# Altium PCB FMC_ADC_250M_16B_4ch.PcbDoc (part 3 of 8) (continued)
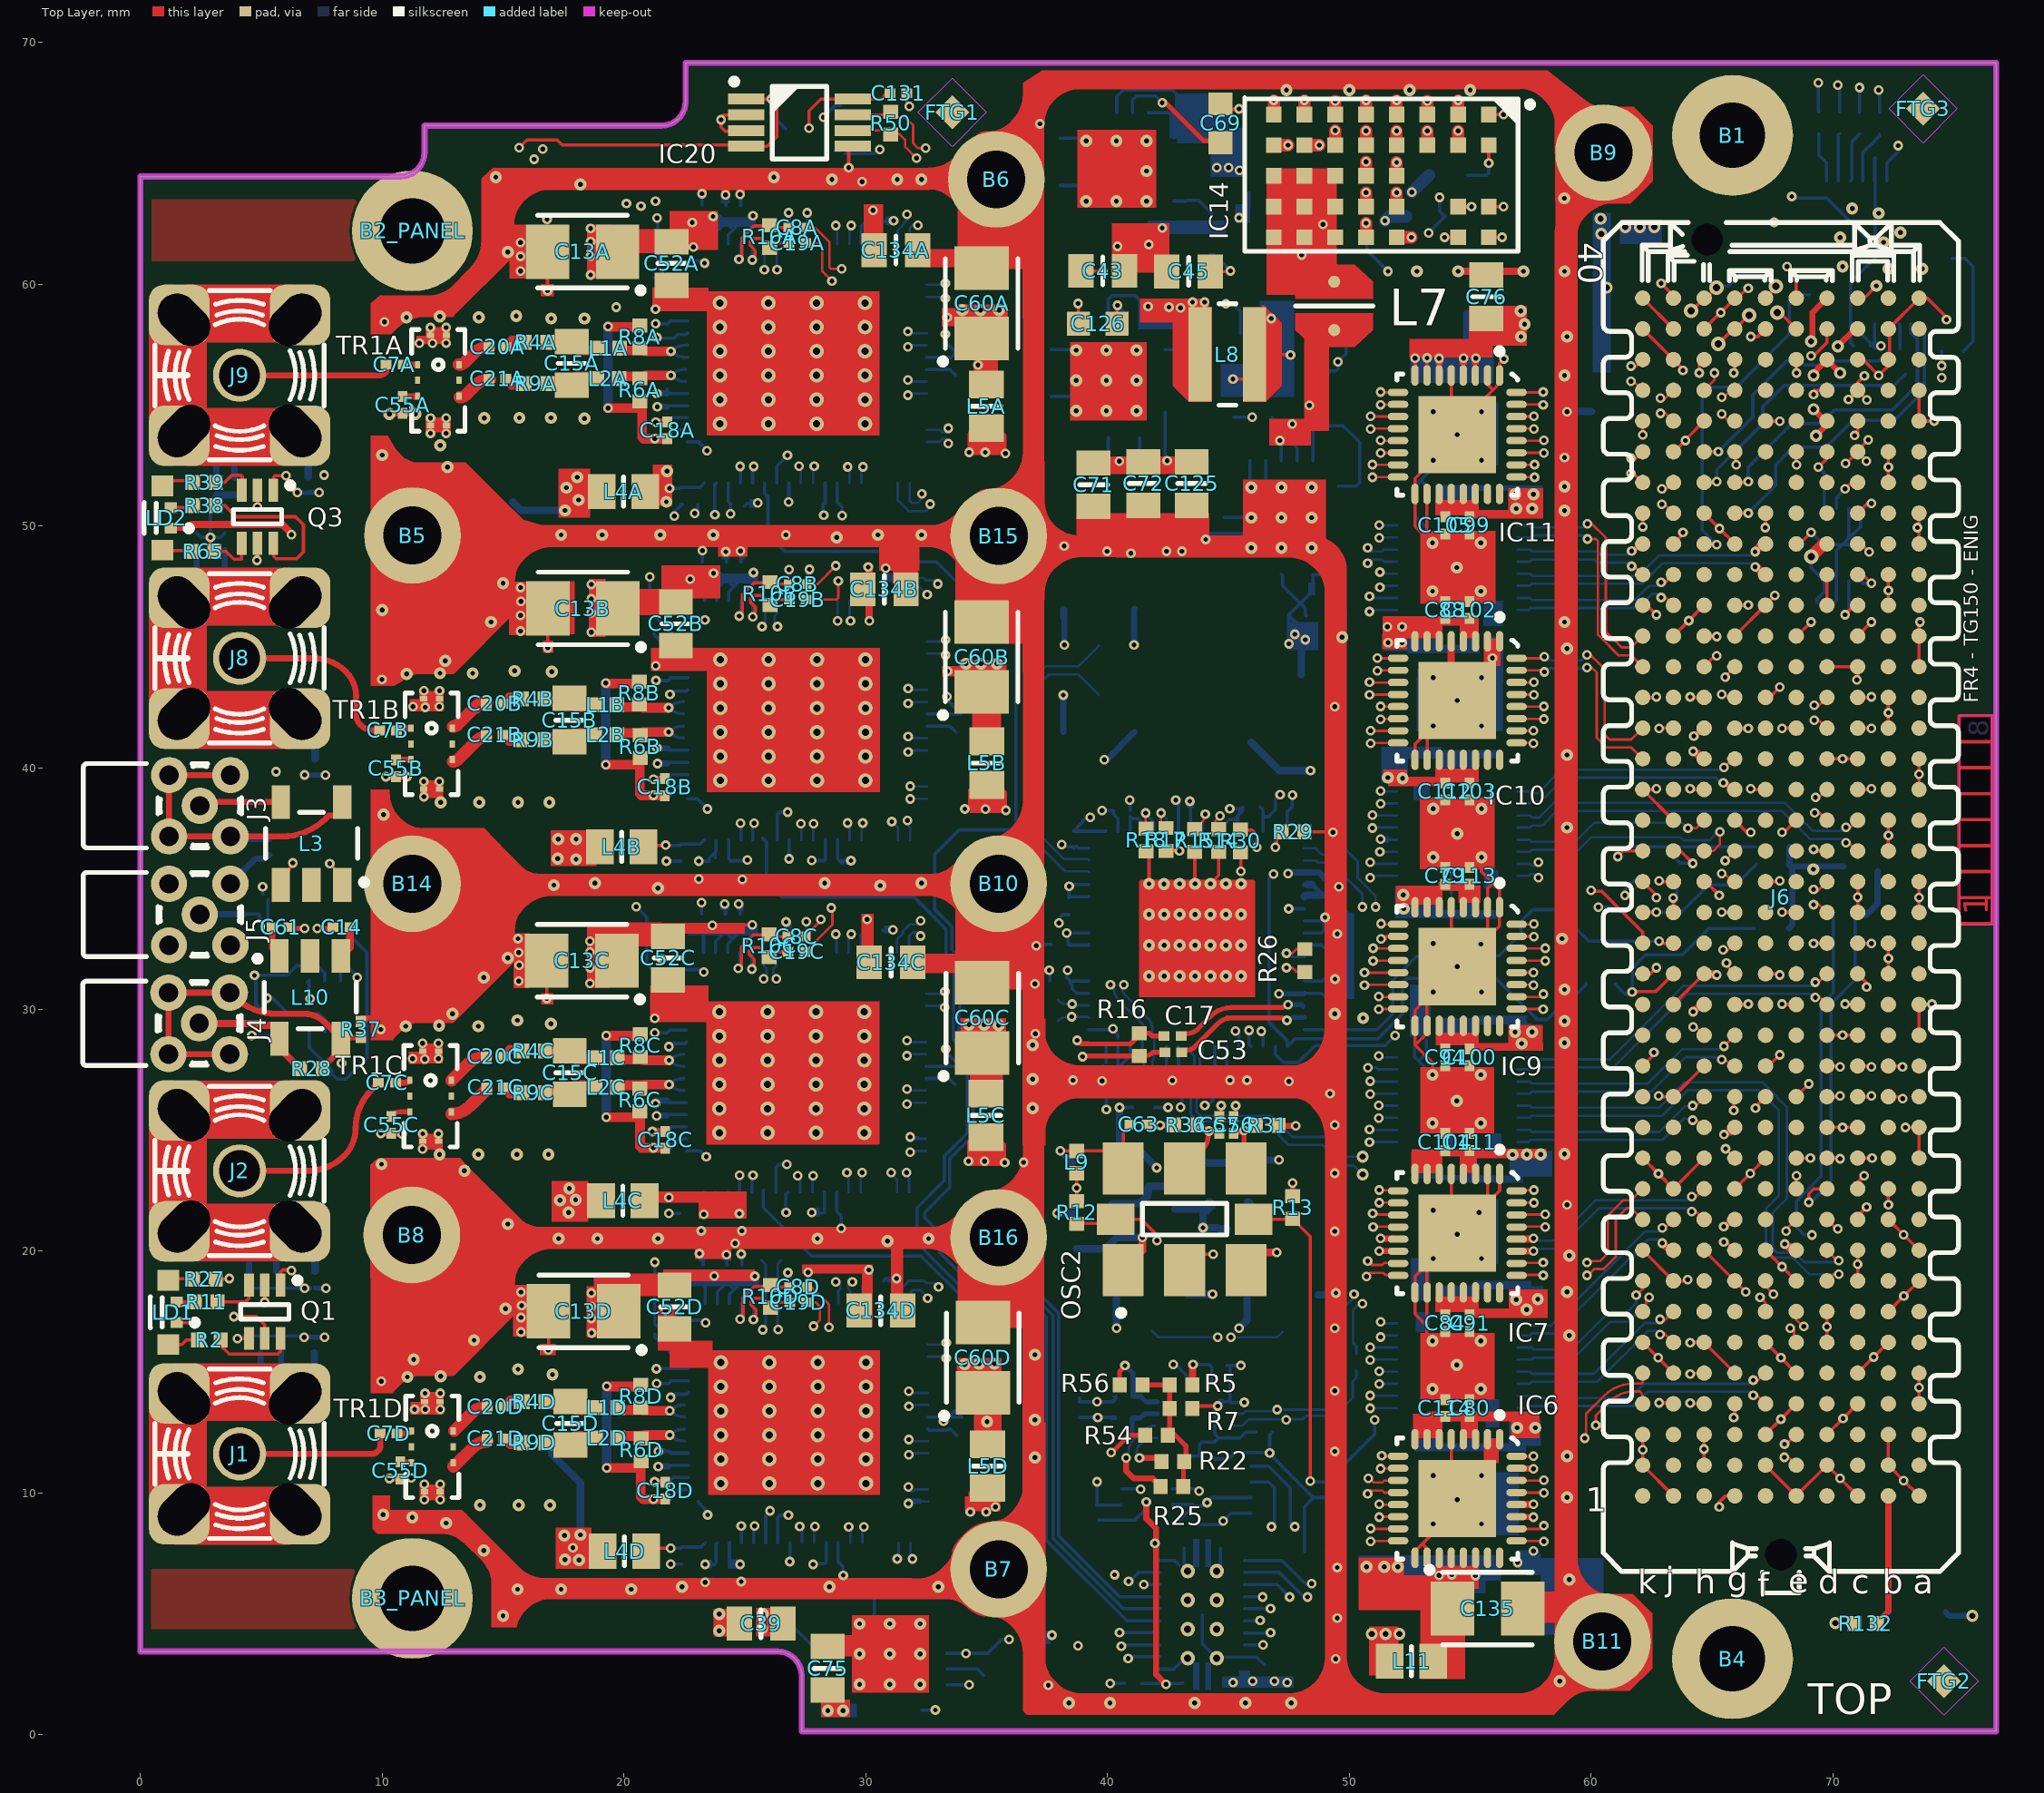
[diagram p0: Top Layer view]
## Nets (pads, with @x,y where several pads share a name; then routed paths per layer and width w, separated by ;. In a path a pad name is that pad's centre, name@x,y a point inside that pad or via, vN(x,y) a via of type N, cw(c..) or ccw(c..) an arc to the next point about the centre after c; other vN are vias at no path point) (continued)
ADC_BUF_DATA3.D6_P: IC13.28 J6.k31 | length 5.6
  Top Layer w0.102: v1(61.686,48.33) 61.733,48.377 61.749,48.377 J6.k31@62.141,47.985
  Bottom Layer w0.102: IC13.28@56.971,48.521 57.475,48.521 57.56,48.605 60.137,48.605 60.263,48.479 61.66,48.479 61.686,48.454 v1(61.686,48.33)
ADC_BUF_DATA3.D8_N: IC11.26 J6.j34 | length 7.3
  Top Layer w0.102: IC11.26@56.971,52.521 57.659,52.521 v1(57.673,52.534) ; v1(62.93,51.524) 62.93,51.486 63.016,51.4 J6.j34@63.411,51.795
  L3 w0.102: v1(57.673,52.534) 57.822,52.385 60.237,52.385 61.298,51.324 62.73,51.324 v1(62.93,51.524)
ADC_BUF_DATA3.D8_P: IC11.25 J6.j33 | length 7.2
  Top Layer w0.102: IC11.25@56.971,52.021 57.659,52.021 v1(57.673,52.007) ; v1(62.93,50.895) 62.952,50.917 63.019,50.917 J6.j33@63.411,50.525
  L3 w0.102: v1(57.673,52.007) 57.822,52.156 60.142,52.156 61.203,51.095 62.73,51.095 v1(62.93,50.895)
ADC_BUF_DATA3.D10_N: IC11.28 J6.k35 | length 6
  Top Layer w0.102: IC11.28@56.971,53.521 58.04,53.521 v1(58.054,53.534) ; v1(61.66,52.794) 61.66,52.756 61.746,52.67 J6.k35@62.141,53.065
  L3 w0.102: v1(58.054,53.534) 58.182,53.406 60.308,53.406 60.329,53.385 61.12,52.594 61.61,52.594 61.66,52.645 v1(61.66,52.794)
ADC_BUF_DATA3.D10_P: IC11.27 J6.k34 | length 5.9
  Top Layer w0.102: IC11.27@56.971,53.021 58.04,53.021 v1(58.054,53.007) ; v1(61.66,52.165) 61.682,52.187 61.749,52.187 J6.k34@62.141,51.795
  L3 w0.102: v1(58.054,53.007) 58.061,53.007 58.231,53.177 60.213,53.177 61.025,52.365 61.61,52.365 61.66,52.315 v1(61.66,52.165)
ADC_BUF_DATA3.D12_N: IC11.30 J6.j37 | length 7.2
  Top Layer w0.102: IC11.30@56.971,54.521 57.634,54.521 v1(57.647,54.534) ; v1(62.88,55.284) 62.954,55.21 63.016,55.21 J6.j37@63.411,55.605
  L3 w0.102: v1(57.647,54.534) 57.796,54.385 58.506,54.385 58.666,54.225 60.396,54.225 61.178,55.007 61.245,55.074 62.669,55.074 v1(62.88,55.284)
ADC_BUF_DATA3.D12_P: IC11.29 J6.j36 | length 7.2
  Top Layer w0.102: IC11.29@56.971,54.021 57.634,54.021 v1(57.647,54.007) ; v1(62.88,54.656) 62.951,54.727 63.019,54.727 J6.j36@63.411,54.335
  L3 w0.102: v1(57.647,54.007) 57.796,54.156 58.412,54.156 58.572,53.996 60.491,53.996 61.339,54.845 62.69,54.845 v1(62.88,54.656)
ADC_BUF_DATA3.D14_N: IC11.32 J6.k38 | length 6.1
  Top Layer w0.102: IC11.32@56.971,55.521 58.015,55.521 v1(58.028,55.534) ; v1(61.66,56.604) 61.66,56.566 61.746,56.48 J6.k38@62.141,56.875
  L3 w0.102: v1(58.028,55.534) 58.177,55.385 59.959,55.385 60.978,56.404 61.61,56.404 61.66,56.455 v1(61.66,56.604)
ADC_BUF_DATA3.D14_P: IC11.31 J6.k37 | length 6
  Top Layer w0.102: IC11.31@56.971,55.021 58.015,55.021 v1(58.028,55.007) ; v1(61.66,55.975) 61.682,55.997 61.749,55.997 J6.k37@62.141,55.605
  L3 w0.102: v1(58.028,55.007) 58.177,55.156 60.053,55.156 61.072,56.175 61.61,56.175 61.66,56.125 v1(61.66,55.975)
ADC_BUF_RESETN: IC1A.18 IC1B.18 IC1C.18 IC1D.18 IC18.10 | length 90.7
  L3 w0.127: v1(23.31,31.545) v1@23.261,31.594 ; v1@23.332,46.142 23.163,46.311 23.163,47.966 22.824,48.305 22.824,49.566 23.348,50.09 23.348,50.748 24.45,51.85 24.45,52.304 24.446,52.307 24.446,53.785 24.475,53.813 24.475,59.579 23.338,60.716 v1(23.338,60.866) ; v1(23.352,46.112) 23.002,45.761 23.002,39.361 23.875,38.487 23.875,37.423 22.738,36.286 22.738,34.297 23.138,33.898 23.138,31.782 ; 23.138,31.782 23.281,31.639 23.306,31.639 v1@23.261,31.594 ; 23.138,31.782 23.138,31.717 v1@23.261,31.594 ; v1@23.261,31.594 22.849,31.182 22.849,25.064 23.824,24.09 23.824,23.52 22.641,22.337 22.641,17.75 23.357,17.034 23.052,16.729 23.052,10.151 24.083,9.12 24.083,6.526 24.684,5.925 25.934,5.925 28.31,3.549 28.31,2.824 30.309,0.825 32.159,0.825 32.731,1.397 33.033,1.397 33.605,0.825 40.575,0.825 42.406,2.657 42.406,4.569 40.875,6.1 v1(40.875,6.35) ; v1(40.875,6.35) 40.875,6.397 40.922,6.35 v1(40.875,6.35)
  Bottom Layer w0.135: IC1C.18@22.597,31.65 23.307,31.65 23.31,31.647 v1(23.31,31.545) ; IC1A.18@22.625,60.971 23.335,60.971 23.338,60.968 v1(23.338,60.866) ; IC1B.18@22.639,46.217 23.349,46.217 23.352,46.214 v1(23.352,46.112) ; IC1D.18@22.667,17.15 23.377,17.15 23.38,17.147 v1(23.38,17.045) ; v1(40.875,6.35) 40.922,6.35 41.291,6.719 IC18.10@42.181,6.719
ADC_BUF_SCLK: IC1A.68 IC1B.68 IC1C.68 IC1D.68 IC18.4 | length 70.3
  L3 w0.127: v1(25.37,52.459) 25.37,52.118 25.126,51.874 25.126,49.828 25.535,49.419 25.535,48.827 24.253,47.546 24.253,45.747 24.928,45.072 24.928,38.222 25.384,37.765 v1(25.384,37.705) 25.606,37.482 25.606,34.626 24.297,33.316 24.297,31.053 24.8,30.55 24.8,24.405 25.342,23.863 v1(25.342,23.138) 25.268,23.065 25.268,19.656 24.386,18.774 24.386,16.945 25.175,16.156 25.175,8.95 25.412,8.713 v1(25.412,8.638) 25.437,8.638 25.764,8.311 25.764,6.884 28.669,3.978 34.13,3.978 35.171,2.937 39.181,2.937 ; 39.181,2.937 39.842,2.937 v1(40.578,3.674) v1@40.655,3.75
  Bottom Layer w0.135: IC1C.68@25.297,22.45 25.297,23.093 v1(25.342,23.138) ; IC1A.68@25.325,51.771 25.325,52.414 v1(25.37,52.459) ; IC1B.68@25.339,37.017 25.339,37.66 v1(25.384,37.705) ; IC1D.68@25.367,7.95 25.367,8.593 v1(25.412,8.638) ; v1(40.578,3.674) 40.578,3.699 40.558,3.719 IC18.4@42.181,3.719
ADC_BUF_SDI: IC1A.69 IC1B.69 IC1C.69 IC1D.69 IC18.3 | length 70.2
  L3 w0.127: v1(24.811,52.459) 24.826,52.444 24.826,49.805 25.306,49.325 25.306,48.922 24.025,47.64 24.025,45.652 24.7,44.977 24.7,37.83 v1(24.825,37.705) 23.758,36.637 23.758,34.109 24.03,33.836 24.03,30.993 24.475,30.548 24.475,24.07 24.783,23.762 v1(24.783,23.138) 23.722,22.077 23.722,19.615 24.107,19.23 24.107,16.829 24.853,16.084 v1(24.853,8.638) 24.853,8.547 25.485,7.915 25.485,6.768 29.595,2.658 40.35,2.658 v1(40.858,3.166)
  Bottom Layer w0.135: v1(24.783,23.138) 24.797,23.124 IC1C.69@24.797,22.45 ; v1(24.811,52.459) 24.825,52.445 IC1A.69@24.825,51.771 ; v1(24.825,37.705) 24.839,37.691 IC1B.69@24.839,37.017 ; v1(24.853,8.638) 24.867,8.624 IC1D.69@24.867,7.95 ; v1(40.858,3.166) 40.934,3.242 IC18.3@42.175,3.242
ADC_BUF_SDO: IC1A.66 IC1B.66 IC1C.66 IC1D.66 IC19.3 | length 77.2
  L5 w0.135: v1(38.789,3.685) 40.187,5.083 cw(c40.712,4.558) 40.712,5.3 ccw(c40.712,7.263) 42.1,5.875 ccw(c40.893,7.082) 42.6,7.082 42.6,9.165 ccw(c41.49,9.165) 42.275,9.95 ccw(c41.764,9.439) 41.764,10.162 v1(41.38,10.162)
  L3 w0.127: v1(26.767,52.916) 26.767,51.648 27.233,51.182 27.233,48.381 27.248,48.367 27.248,47.62 26.913,47.285 26.913,38.294 v1(26.781,38.162) 26.904,38.039 26.904,36.747 27.248,36.404 27.248,36.059 27.136,35.947 27.136,33.387 26.862,33.113 26.862,23.719 v1(26.739,23.595) 26.78,23.553 26.78,22.309 27.205,21.884 27.205,21.492 27.202,21.489 27.202,18.847 26.939,18.583 26.939,9.225 v1(26.809,9.095) 26.745,9.095 26.444,8.794 26.444,6.992 28.061,5.375 33.523,5.375 35.402,3.495 38.078,3.495
  L3 w0.135: 38.078,3.495 38.6,3.495 v1(38.789,3.685)
  Bottom Layer w0.135: IC1C.66@26.297,22.45 26.297,23.483 26.408,23.595 v1(26.739,23.595) ; IC1A.66@26.325,51.771 26.325,52.474 v1(26.767,52.916) ; IC1B.66@26.339,37.017 26.339,38.05 26.451,38.162 v1(26.781,38.162) ; IC1D.66@26.367,7.95 26.367,8.983 26.478,9.095 v1(26.809,9.095) ; IC19.3@40.584,10.18 v1@41.362,10.18
ADC_BUF_SLEEP: IC1A.3 IC1B.3 IC1C.3 IC1D.3 IC18.9 | length 81.4
  L3 w0.127: v1(23.433,53.102) 22.51,52.178 22.51,49.928 22.332,49.751 22.332,47.621 22.545,47.408 22.545,39.208 23.406,38.346 23.406,37.625 22.307,36.525 22.307,33.525 22.32,33.511 22.32,25.005 v1(23.408,23.917) 23.408,23.427 22.362,22.381 22.362,17.635 22.57,17.427 22.57,9.973 v1@23.469,9.074 ; v1(23.469,9.098) v1@23.469,9.074 ; v1(41.506,6.225) 41.506,5.919 42.806,4.619 42.806,1.325 42.056,0.575 30.164,0.575 28.031,2.708 28.031,3.433 25.818,5.646 24.568,5.646 23.773,6.441 23.773,8.802 23.501,9.074 v1@23.469,9.074
  Bottom Layer w0.135: IC1C.3@22.597,24.15 23.15,24.15 v1@23.357,23.943 ; IC1A.3@22.625,53.471 23.09,53.471 v1@23.433,53.127 ; IC1B.3@22.639,38.717 23.036,38.717 v1@23.433,38.319 ; IC1D.3@23.078,9.643 23.078,9.617 23.484,9.211 23.484,9.058 23.469,9.074 v1(23.469,9.098) ; v1(41.506,6.225) IC18.9@42.175,6.225 IC18.9@42.181,6.219
  other v1: 23.459,38.294
ADC_CSB0: IC18.19 J6.c15 | length 57.9
  Top Layer w0.135: J6.c15@71.031,27.665 71.566,27.665 v1(71.606,27.625)
  L5 w0.123: v1(46.319,4.74) 46.828,4.74 47.211,4.357 47.211,3.753 49.94,1.024 69.883,1.024 75.451,6.592 75.451,25.38 73.706,27.125 72.106,27.125 71.756,27.475
  Bottom Layer w0.135: IC18.19@45.681,4.719 46.297,4.719 v1(46.319,4.74)
ADC_CSB1: IC18.18 J6.d15 | length 58.5
  Top Layer w0.135: J6.d15@69.761,27.665 70.266,27.665 v1(70.306,27.625)
  L5 w0.123: v1(46.751,5.223) 46.877,5.223 47.486,4.614 47.486,3.867 50.105,1.248 69.718,1.248 75.227,6.757 75.227,24.604 73.1,26.731 71.885,26.731 71.492,27.125 70.806,27.125 v1(70.306,27.625)
  Bottom Layer w0.135: IC18.18@45.681,5.219 46.747,5.219 v1(46.751,5.223)
ADC_CSB2: IC18.17 J6.c14 | length 56
  Top Layer w0.135: J6.c14@71.031,26.395 71.576,26.395 v1(71.606,26.425)
  L5 w0.123: v1(46.42,5.706) 46.954,5.706 47.073,5.586 ; 47.073,5.585 47.761,4.898 47.761,3.981 50.27,1.472 69.554,1.472 75.003,6.921 75.003,24.029 73.406,25.625 72.406,25.625 v1(71.606,26.425)
  Bottom Layer w0.135: IC18.17@45.681,5.719 46.407,5.719 v1(46.42,5.706)
ADC_CSB3: IC18.16 J6.d14 | length 50.5
  Top Layer w0.135: J6.d14@69.761,26.395 70.276,26.395 v1(70.306,26.425)
  L5 w0.123: v1(47.538,5.706) 47.952,5.292 58.874,5.292 60.851,7.268 65.277,7.268 67.071,9.063 73.449,9.063 74.779,10.392 74.779,22.768 72.521,25.025 71.706,25.025 v1(70.306,26.425)
  Bottom Layer w0.135: IC18.16@45.681,6.219 47.025,6.219 v1(47.538,5.706)
ADC_DATA0.CLKOUT_N: IC1D.47 IC5.10 | length 22.4
  L3 w0.102: v1(31.787,12.213) 31.996,12.005 32.826,12.005 35.25,14.429 48.104,14.429 48.383,14.149 48.671,13.862 50.106,13.862 50.129,13.885 50.716,13.885 v1(50.865,14.034)
  Bottom Layer w0.102: v1(31.787,12.213) 31.851,12.15 IC1D.47@32.567,12.15 ; v1(50.865,14.034) 50.879,14.021 IC5.10@51.971,14.021
ADC_DATA0.CLKOUT_P: IC1D.48 IC5.9 | length 22.4
  L3 w0.102: v1(31.787,11.586) 31.977,11.776 32.921,11.776 35.345,14.2 48.009,14.2 48.576,13.634 50.739,13.634 v1(50.865,13.507)
  Bottom Layer w0.102: v1(31.787,11.586) 31.851,11.65 IC1D.48@32.567,11.65 ; v1(50.865,13.507) 50.879,13.521 IC5.9@51.971,13.521
ADC_DATA0.D0_N: IC1D.63 IC6.15 | length 27.9
  Top Layer w0.102: v1(50.891,8.534) 50.904,8.521 IC6.15@51.971,8.521
  L3 w0.102: 27.701,8.55 27.701,7.941 27.904,7.738 28.869,7.738 29.936,6.671 32.476,6.671 34.624,8.819 37.712,8.819 38.957,7.574 49.358,7.574 50.168,8.385 50.742,8.385 v1(50.891,8.534)
  Bottom Layer w0.102: IC1D.63@27.867,7.95 27.867,8.539 v1@27.929,8.601
  other v1: 27.901,8.627
ADC_DATA0.D0_P: IC1D.64 IC6.16 | length 28.2
  Top Layer w0.102: v1(50.891,8.007) 50.904,8.021 IC6.16@51.971,8.021
  L3 w0.102: 27.472,8.55 27.472,7.846 27.809,7.509 28.774,7.509 29.841,6.442 32.571,6.442 34.719,8.59 37.617,8.59 38.84,7.368 38.862,7.345 49.452,7.345 49.474,7.368 50.263,8.156 50.742,8.156 v1(50.891,8.007)
  Bottom Layer w0.102: v1@27.269,8.55 27.367,8.453 IC1D.64@27.367,7.95
  other v1: 27.272,8.627
ADC_DATA0.D2_N: IC1D.59 IC6.12 | length 24.9
  Top Layer w0.102: v1(50.764,9.973) 50.896,10.105 51.371,10.105 51.455,10.021 IC6.12@51.971,10.021
  L3 w0.102: v1(29.936,8.601) 29.936,8.627 30.164,8.855 32.327,8.855 33.978,10.506 37.987,10.506 39.577,8.917 44.326,8.917 44.606,9.196 48.409,9.196 49.388,10.176 50.561,10.176 v1(50.764,9.973)
  Bottom Layer w0.102: IC1D.59@29.867,7.95 29.867,8.532 v1(29.936,8.601)
ADC_DATA0.D2_P: IC1D.60 IC6.11 | length 25.6
  Top Layer w0.102: v1(50.789,10.608) 50.846,10.608 51.018,10.436 51.371,10.436 51.455,10.521 IC6.11@51.971,10.521
  L3 w0.102: v1@29.367,8.535 29.367,8.566 29.884,9.084 32.232,9.084 33.883,10.735 33.905,10.735 38.082,10.735 39.671,9.146 44.232,9.146 44.562,9.476 48.365,9.476 49.294,10.405 50.404,10.405 ; 50.419,10.419 50.434,10.405 50.586,10.405 v1(50.789,10.608)
  Bottom Layer w0.102: v1(29.301,8.601) 29.367,8.535 IC1D.60@29.367,7.95
ADC_DATA0.D4_N: IC1D.55 IC6.14 | length 23.9
  Top Layer w0.102: v1(51.246,9.007) 51.26,9.021 IC6.14@51.971,9.021
  L3 w0.102: v1(31.939,7.28) 31.765,7.28 31.739,7.306 31.739,7.687 32.323,8.271 32.799,8.271 34.431,9.902 37.354,9.902 38.949,8.307 38.977,8.279 44.228,8.279 44.635,7.871 48.996,7.871 50.281,9.156 51.097,9.156 v1(51.246,9.007)
  Bottom Layer w0.102: IC1D.55@31.867,7.95 31.867,7.353 v1(31.939,7.28)
ADC_DATA0.D4_P: IC1D.56 IC6.13 | length 24.3
  Top Layer w0.102: v1(51.246,9.534) 51.26,9.521 IC6.13@51.971,9.521
  L3 w0.102: v1(31.311,7.28) 31.485,7.28 31.511,7.306 31.511,7.781 32.229,8.5 32.704,8.5 34.336,10.131 37.448,10.131 39.072,8.507 44.387,8.507 44.795,8.1 48.902,8.1 50.187,9.385 51.097,9.385 v1(51.246,9.534)
  Bottom Layer w0.102: v1(31.311,7.28) 31.367,7.336 IC1D.56@31.367,7.95
ADC_DATA0.D6_N: IC1D.51 IC6.9 | length 22.7
  Top Layer w0.102: v1(51.348,11.548) 51.375,11.521 IC6.9@51.971,11.521
  L3 w0.102: v1(31.765,10.252) 31.968,10.049 32.323,10.049 33.67,11.395 34.853,11.395 35.906,12.448 49.711,12.448 50.764,11.395 51.196,11.395 v1(51.348,11.548)
  Bottom Layer w0.102: v1(31.765,10.252) 31.765,10.192 31.892,10.065 31.965,10.065 32.05,10.15 IC1D.51@32.567,10.15
ADC_DATA0.D6_P: IC1D.52 IC6.10 | length 22.5
  Top Layer w0.102: v1(51.297,11.014) 51.304,11.021 IC6.10@51.971,11.021
  L3 w0.102: v1(31.765,9.566) 32.019,9.82 32.418,9.82 33.764,11.167 34.948,11.167 35.613,11.831 36,12.219 49.617,12.219 50.669,11.167 51.145,11.167
  Bottom Layer w0.102: v1(31.765,9.566) 31.765,9.608 31.892,9.735 31.965,9.735 32.05,9.65 IC1D.52@32.567,9.65
ADC_DATA0.D8_N: IC1D.43 IC5.12 | length 21.5
  L3 w0.102: v1(31.787,14.213) 31.989,14.011 32.534,14.011 33.419,14.897 51.11,14.897 v1(51.246,15.034)
  Bottom Layer w0.102: v1(31.787,14.213) 31.851,14.15 IC1D.43@32.567,14.15 ; v1(51.246,15.034) 51.26,15.021 IC5.12@51.971,15.021
ADC_DATA0.D8_P: IC1D.44 IC5.11 | length 21.5
  L3 w0.102: v1(31.787,13.586) 31.983,13.783 32.628,13.783 33.514,14.669 51.078,14.669 51.239,14.507 v1(51.246,14.507)
  Bottom Layer w0.102: v1(31.787,13.586) 31.851,13.65 IC1D.44@32.567,13.65 ; v1(51.246,14.507) 51.26,14.521 IC5.11@51.971,14.521
ADC_DATA0.D10_N: IC1D.39 IC5.14 | length 19.7
  L3 w0.102: v1(33.336,16.213) 33.345,16.205 33.499,16.359 38.205,16.359 38.637,15.927 50.759,15.927 v1(50.865,16.034)
  Bottom Layer w0.102: IC1D.39@32.567,16.15 33.273,16.15 v1(33.336,16.213) ; v1(50.865,16.034) 50.879,16.021 IC5.14@51.971,16.021
ADC_DATA0.D10_P: IC1D.40 IC5.13 | length 19.9
  L3 w0.102: v1(33.336,15.586) 33.386,15.586 33.931,16.131 38.111,16.131 38.571,15.67 50.695,15.67 50.709,15.656 50.716,15.656 v1(50.865,15.507)
  Bottom Layer w0.102: IC1D.40@32.567,15.65 33.273,15.65 v1(33.336,15.586) ; v1(50.865,15.507) 50.879,15.521 IC5.13@51.971,15.521
ADC_DATA0.D12_N: IC1D.35 IC5.16 | length 22.2
  L3 w0.102: v1(33.018,18.53) 33.919,17.629 50.067,17.629 50.811,16.885 51.097,16.885 v1(51.297,17.085)
  Bottom Layer w0.102: IC1D.35@31.367,17.85 31.367,18.369 31.38,18.369 31.792,18.781 32.42,18.781 32.521,18.679 32.869,18.679 v1(33.018,18.53) ; v1(51.297,17.085) 51.362,17.021 IC5.16@51.971,17.021
ADC_DATA0.D12_P: IC1D.36 IC5.15 | length 21.5
  L3 w0.102: v1(32.566,18.061) 32.566,18.078 32.625,18.137 33.087,18.137 33.824,17.401 49.972,17.401 50.717,16.656 51.097,16.656 v1(51.297,16.456)
  Bottom Layer w0.102: IC1D.36@31.867,17.85 31.867,18.316 31.95,18.399 32.262,18.399 32.574,18.087 32.566,18.078 v1(32.566,18.061) ; v1(51.297,16.456) 51.362,16.521 IC5.15@51.971,16.521
ADC_DATA0.D14_N: IC1D.30 IC7.15 | length 25.8
  Top Layer w0.102: v1(50.764,19.599) 50.928,19.436 51.371,19.436 51.455,19.521 IC7.15@51.971,19.521
  L3 w0.102: v1@28.929,18.77 29.021,18.863 29.021,19.465 29.088,19.532 29.486,19.93 33.744,19.93 34.775,18.899 36.238,18.899 36.87,19.531 41.917,19.531 41.942,19.506 41.951,19.506 42.06,19.396 50.561,19.396 v1(50.764,19.599)
  Bottom Layer w0.102: v1(28.767,18.736) 28.825,18.736 28.952,18.609 28.952,18.439 28.867,18.354 IC1D.30@28.867,17.85
ADC_DATA0.D14_P: IC1D.31 IC7.16 | length 25.5
  Top Layer w0.102: v1(50.713,18.964) 50.854,19.105 51.421,19.105 51.506,19.021 IC7.16@51.971,19.021
  L3 w0.102: v1(29.453,18.736) 29.25,18.939 29.25,19.371 29.58,19.701 33.65,19.701 34.68,18.671 36.333,18.671 36.964,19.302 41.822,19.302 41.847,19.277 41.856,19.277 41.966,19.168 50.51,19.168 v1(50.713,18.964)
  Bottom Layer w0.102: IC1D.31@29.367,17.85 29.367,18.354 29.282,18.439 29.282,18.609 29.409,18.736 v1(29.453,18.736)
ADC_DATA1.CLKOUT_N: IC1C.47 IC8.12 | length 21.7
  L3 w0.102: v1(31.717,26.713) 31.719,26.711 32.019,26.711 32.298,26.991 33.432,26.991 33.437,26.995 33.96,26.995 33.965,26.991 34.406,26.991 34.733,26.664 43.726,26.664 43.73,26.668 44.211,26.668 44.216,26.664 45.731,26.664 46.51,25.885 51.072,25.885 v1(51.221,26.034)
  Bottom Layer w0.102: v1(31.717,26.713) 31.781,26.65 IC1C.47@32.497,26.65 ; v1(51.221,26.034) 51.235,26.021 IC8.12@51.971,26.021
ADC_DATA1.CLKOUT_P: IC1C.48 IC8.11 | length 21.9
  L3 w0.102: v1(31.717,26.086) 32.393,26.762 34.312,26.762 34.639,26.435 43.82,26.435 43.825,26.44 44.117,26.44 44.121,26.435 45.637,26.435 46.415,25.656 51.072,25.656 v1(51.221,25.507)
  Bottom Layer w0.102: v1(31.717,26.086) 31.781,26.15 IC1C.48@32.497,26.15 ; v1(51.221,25.507) 51.235,25.521 IC8.11@51.971,25.521
ADC_DATA1.D0_N: IC1C.63 IC7.13 | length 27.4
  Top Layer w0.102: v1(51.301,20.534) 51.314,20.521 IC7.13@51.971,20.521
  L3 w0.102: v1(27.824,23.13) 27.65,23.13 27.624,23.105 27.624,22.677 28.416,21.885 33.197,21.885 33.996,22.684 38.002,22.684 38.419,22.266 38.827,21.859 47.839,21.859 49.313,20.385 51.151,20.385 v1(51.301,20.534)
  Bottom Layer w0.102: IC1C.63@27.797,22.45 27.797,23.102 v1(27.824,23.13)
ADC_DATA1.D0_P: IC1C.64 IC7.14 | length 27.8
  Top Layer w0.102: v1(51.246,20.007) 51.26,20.021 IC7.14@51.971,20.021
  L3 w0.102: v1(27.196,23.13) 27.37,23.13 27.396,23.105 27.396,22.583 28.322,21.657 33.292,21.657 34.09,22.455 37.907,22.455 38.713,21.65 38.732,21.63 47.745,21.63 49.219,20.156 51.097,20.156 v1(51.246,20.007)
  Bottom Layer w0.102: v1(27.196,23.13) 27.297,23.029 IC1C.64@27.297,22.45
ADC_DATA1.D2_N: IC1C.59 IC7.11 | length 25.2
  Top Layer w0.102: v1@50.969,21.521 IC7.11@51.971,21.521
  L3 w0.102: v1(29.856,23.257) 29.783,23.257 29.656,23.13 29.656,22.47 29.809,22.317 32.842,22.317 33.781,23.257 40.324,23.257 41.291,22.291 48.018,22.291 48.838,21.471 v1@50.852,21.471 ; v1@50.969,21.47 v1(50.969,21.565)
  Bottom Layer w0.102: IC1C.59@29.797,22.45 29.797,23.197 v1(29.856,23.257)
ADC_DATA1.D2_P: IC1C.60 IC7.12 | length 25.7
  Top Layer w0.102: v1(50.992,21.007) 51.006,21.021 IC7.12@51.971,21.021
  L3 w0.102: v1(29.228,23.257) 29.301,23.257 29.428,23.13 29.428,22.375 29.714,22.089 32.936,22.089 33.876,23.028 40.23,23.028 41.176,22.082 41.196,22.062 47.923,22.062 48.743,21.242 50.757,21.242 v1(50.992,21.007)
  Bottom Layer w0.102: v1(29.228,23.257) 29.297,23.188 IC1C.60@29.297,22.45
ADC_DATA1.D4_N: IC1C.55 IC7.9 | length 24
  Top Layer w0.102: v1(51.246,22.534) 51.26,22.521 IC7.9@51.971,22.521
  L3 w0.102: v1(31.688,23.257) 31.688,22.925 31.864,22.749 32.39,22.749 34.422,24.781 40.197,24.781 42.256,22.723 46.176,22.723 46.797,23.344 46.859,23.406 48.557,23.406 48.619,23.344 49.579,22.385 51.097,22.385 v1(51.246,22.534)
  Bottom Layer w0.102: v1(31.688,23.257) 31.688,23.136 31.797,23.028 IC1C.55@31.797,22.45
ADC_DATA1.D4_P: IC1C.56 IC7.10 | length 24.7
  Top Layer w0.102: v1(51.246,22.007) 51.26,22.021 IC7.10@51.971,22.021
  L3 w0.102: v1(31.06,23.257) 31.06,23.054 31.594,22.52 ; 31.587,22.52 31.594,22.52 ; v1(51.246,22.007) 51.097,22.156 49.484,22.156 48.463,23.177 46.954,23.177 46.29,22.514 46.27,22.494 42.161,22.494 42.142,22.514 40.103,24.552 34.517,24.552 32.485,22.52 31.594,22.52
  Bottom Layer w0.102: v1(31.06,23.257) 31.06,23.208 31.297,22.971 IC1C.56@31.297,22.45
ADC_DATA1.D6_N: IC1C.51 IC8.10 | length 21.9
  L3 w0.102: v1(31.841,24.73) 31.866,24.705 31.866,24.527 32.508,24.527 33.372,25.391 40.793,25.391 41.566,24.617 49.358,24.617 49.625,24.885 50.691,24.885 v1(50.84,25.034)
  Bottom Layer w0.102: v1(31.841,24.73) 31.921,24.65 IC1C.51@32.497,24.65 ; v1(50.84,25.034) 50.854,25.021 IC8.10@51.971,25.021
ADC_DATA1.D6_P: IC1C.52 IC8.9 | length 21.9
  L3 w0.102: v1(31.841,24.095) 31.866,24.121 31.866,24.298 32.603,24.298 33.466,25.162 40.699,25.162 41.472,24.389 49.453,24.389 49.527,24.463 49.72,24.656 50.691,24.656 v1(50.84,24.507)
  Bottom Layer w0.102: v1(31.841,24.095) 31.895,24.15 IC1C.52@32.497,24.15 ; v1(50.84,24.507) 50.854,24.521 IC8.9@51.971,24.521
ADC_DATA1.D8_N: IC1C.43 IC8.14 | length 22.2
  L3 w0.102: v1(31.717,28.713) 31.916,28.514 32.393,28.514 33.052,27.854 38.444,27.854 38.601,27.697 39.12,27.697 39.129,27.706 46.206,27.706 47.291,26.621 48.086,26.621 48.568,27.103 48.571,27.106 50.582,27.106 50.654,27.034 v1(50.865,27.034)
  Bottom Layer w0.102: v1(31.717,28.713) 31.781,28.65 IC1C.43@32.497,28.65 ; v1(50.865,27.034) 50.879,27.021 IC8.14@51.971,27.021
ADC_DATA1.D8_P: IC1C.44 IC8.13 | length 22.3
  L3 w0.102: v1(31.717,28.086) 31.916,28.286 32.298,28.286 32.958,27.626 38.349,27.626 38.506,27.469 39.215,27.469 39.224,27.477 46.111,27.477 47.197,26.392 48.18,26.392 48.665,26.877 50.488,26.877 50.858,26.507 v1(50.865,26.507)
  Bottom Layer w0.102: v1(31.717,28.086) 31.781,28.15 IC1C.44@32.497,28.15 ; v1(50.865,26.507) 50.879,26.521 IC8.13@51.971,26.521
ADC_DATA1.D10_N: IC1C.39 IC8.16 | length 20.6
  L3 w0.102: v1@33.43,30.736 33.592,30.736 33.708,30.852 36.062,30.852 37.588,29.325 39.517,29.325 39.887,28.955 39.887,28.944 40.317,28.515 46.01,28.515 46.561,27.964 51.102,27.964 v1(51.221,28.083)
  Bottom Layer w0.102: IC1C.39@32.497,30.65 v1@33.203,30.65 ; v1(51.221,28.083) 51.221,28.034 51.235,28.021 IC8.16@51.971,28.021
  other v1: 33.277,30.736
ADC_DATA1.D10_P: IC1C.40 IC8.15 | length 21
  L3 w0.102: v1(33.266,30.086) 33.803,30.623 35.967,30.623 37.427,29.163 ccw(c37.588,29.325) 37.588,29.096 39.419,29.096 ; 39.419,29.1 39.659,28.86 39.659,28.849 40.222,28.286 45.939,28.286 46.512,27.713 50.724,27.713 v1@50.78,27.657
  Bottom Layer w0.102: IC1C.40@32.497,30.15 33.203,30.15 v1(33.266,30.086) ; v1(50.78,27.586) 51.142,27.586 51.221,27.507 51.235,27.521 IC8.15@51.971,27.521
ADC_DATA1.D12_N: IC1C.35 IC9.15 | length 23.1
  Top Layer w0.102: v1(51.221,30.534) 51.235,30.521 IC9.15@51.971,30.521
  L3 w0.102: v1(32.273,33.668) 32.273,33.595 32.4,33.468 32.933,33.468 34.152,32.249 39.601,32.249 39.75,32.099 40.08,32.099 40.085,32.095 45.863,32.095 46.736,31.222 46.85,31.222 46.859,31.231 47.341,31.231 47.349,31.222 48.59,31.222 49.058,30.754 49.678,30.754 50.047,30.385 51.072,30.385 v1(51.221,30.534)
  Bottom Layer w0.102: IC1C.35@31.297,32.35 31.297,32.891 31.536,33.131 31.536,33.224 31.831,33.519 32.123,33.519 v1(32.273,33.668)
ADC_DATA1.D12_P: IC1C.36 IC9.16 | length 22.5
  Top Layer w0.102: v1(51.221,30.007) 51.235,30.021 IC9.16@51.971,30.021
  L3 w0.102: v1(32.273,33.039) 32.273,33.112 32.4,33.239 32.838,33.239 34.058,32.02 39.347,32.02 39.551,31.815 45.819,31.815 46.641,30.993 46.945,30.993 46.954,31.002 47.246,31.002 47.255,30.993 48.496,30.993 48.964,30.525 49.583,30.525 49.952,30.156 51.072,30.156 v1(51.221,30.007)
  Bottom Layer w0.102: IC1C.36@31.797,32.35 31.797,33.017 31.968,33.188 32.123,33.188 v1(32.273,33.039)
ADC_DATA1.D14_N: IC1C.30 IC9.13 | length 26.9
  Top Layer w0.102: v1(50.637,31.534) 50.65,31.521 IC9.13@51.971,31.521
  L3 w0.102: v1(28.771,33.112) 28.971,33.312 28.971,33.652 28.982,33.663 28.982,33.955 28.971,33.966 28.971,33.969 29.038,34.036 29.384,34.382 33.816,34.382 34.801,33.397 36.541,33.397 37.366,34.223 38.503,34.223 39.272,33.453 46.257,33.453 46.536,33.174 47.951,33.174 49.234,31.891 49.678,31.891 50.048,31.521 50.048,31.516 50.18,31.385 50.488,31.385 v1(50.637,31.534)
  Bottom Layer w0.102: v1(28.771,33.112) 28.797,33.086 IC1C.30@28.797,32.35
ADC_DATA1.D14_P: IC1C.31 IC9.14 | length 26.5
  Top Layer w0.102: v1(50.637,31.007) 50.65,31.021 IC9.14@51.971,31.021
  L3 w0.102: v1(29.399,33.112) 29.199,33.312 29.199,33.557 29.21,33.568 29.21,33.885 29.479,34.154 33.721,34.154 34.706,33.168 36.635,33.168 37.461,33.994 38.408,33.994 39.177,33.225 46.162,33.225 46.442,32.945 47.856,32.945 49.139,31.662 49.583,31.662 49.82,31.426 49.82,31.422 50.085,31.156 50.488,31.156 v1(50.637,31.007)
  Bottom Layer w0.102: IC1C.31@29.297,32.35 29.297,33.01 v1(29.399,33.112)
ADC_DATA2.CLKOUT_N: IC1B.47 IC12.14 | length 23.7
  L3 w0.102: v1(31.76,41.28) 31.952,41.088 32.889,41.088 33.914,42.113 33.981,42.18 44.388,42.18 45.443,41.125 48.006,41.125 49.9,39.231 49.9,38.652 50.03,38.522 50.03,38.517 50.662,37.885 50.818,37.885 v1(50.967,38.034)
  Bottom Layer w0.102: v1(31.76,41.28) 31.823,41.217 IC1B.47@32.539,41.217 ; v1(50.967,38.034) 50.981,38.021 IC12.14@51.971,38.021
ADC_DATA2.CLKOUT_P: IC1B.48 IC12.13 | length 23.7
  L3 w0.102: v1(31.76,40.653) 31.966,40.859 32.984,40.859 34.076,41.951 44.294,41.951 45.349,40.896 47.912,40.896 49.672,39.137 49.672,38.557 49.802,38.427 49.802,38.422 50.568,37.656 50.818,37.656 v1(50.967,37.507)
  Bottom Layer w0.102: v1(31.76,40.653) 31.823,40.717 IC1B.48@32.539,40.717 ; v1(50.967,37.507) 50.981,37.521 IC12.13@51.971,37.521
ADC_DATA2.D0_N: IC1B.63 IC9.11 | length 28.6
  Top Layer w0.102: v1(50.992,32.534) 51.006,32.521 IC9.11@51.971,32.521
  L3 w0.102: v1(27.853,37.684) 27.701,37.532 27.701,37.354 28.994,36.06 28.994,35.988 29.23,35.752 29.564,35.752 29.769,35.957 33.118,35.957 34.193,37.032 37.014,37.032 37.875,36.171 38.713,36.171 40.161,34.723 46.444,34.723 47.355,33.812 48.133,33.812 49.561,32.385 50.843,32.385 v1(50.992,32.534)
  Bottom Layer w0.102: IC1B.63@27.839,37.017 27.839,37.67 v1(27.853,37.684)
ADC_DATA2.D0_P: IC1B.64 IC9.12 | length 28.9
  Top Layer w0.102: v1(50.992,32.007) 51.006,32.021 IC9.12@51.971,32.021
  L3 w0.102: v1(27.32,37.684) 27.472,37.532 27.472,37.259 28.123,36.608 28.766,35.966 28.766,35.893 29.136,35.523 29.659,35.523 29.864,35.728 33.212,35.728 34.287,36.803 36.92,36.803 37.78,35.943 38.618,35.943 39.507,35.054 40.066,34.495 46.35,34.495 47.261,33.584 48.039,33.584 49.466,32.156 50.843,32.156 v1(50.992,32.007)
  Bottom Layer w0.102: v1(27.32,37.684) 27.339,37.665 IC1B.64@27.339,37.017
ADC_DATA2.D2_N: IC1B.59 IC9.9 | length 27.2
  Top Layer w0.102: v1(51.323,33.544) 51.346,33.521 IC9.9@51.971,33.521
  L3 w0.102: v1(29.882,37.71) 29.758,37.71 29.682,37.633 29.682,36.922 29.939,36.665 32.86,36.665 33.956,37.76 38.038,37.76 38.448,37.351 47.737,37.351 48.213,36.875 48.213,35.529 48.603,35.139 49.651,34.091 49.651,34.047 50.248,33.45 50.688,33.45 50.747,33.392 51.17,33.392 v1(51.323,33.544)
  Bottom Layer w0.102: IC1B.59@29.839,37.017 29.839,37.667 v1(29.882,37.71)
ADC_DATA2.D2_P: IC1B.60 IC9.10 | length 27.8
  Top Layer w0.102: v1(51.32,32.915) 51.32,32.987 51.297,33.011 51.307,33.021 IC9.10@51.971,33.021
  L3 w0.102: v1(29.253,37.71) 29.377,37.71 29.453,37.633 29.453,36.828 29.778,36.503 29.845,36.436 32.955,36.436 33.022,36.503 34.051,37.532 37.944,37.532 38.353,37.122 47.643,37.122 47.984,36.781 47.984,35.435 49.423,33.996 49.423,33.952 50.153,33.222 50.594,33.222 50.652,33.163 51.145,33.163 51.32,32.987 v1(51.32,32.915)
  Bottom Layer w0.102: v1(29.253,37.71) 29.339,37.624 IC1B.60@29.339,37.017
ADC_DATA2.D4_N: IC1B.55 IC12.10 | length 24.1
  L3 w0.102: v1(31.737,37.812) 31.663,37.738 31.663,37.379 31.763,37.28 32.169,37.28 34.337,39.448 45.081,39.448 45.234,39.295 46.148,38.381 47.698,38.381 50.204,35.875 50.825,35.875 50.865,35.915 v1(50.865,36.085)
  Bottom Layer w0.102: v1@31.714,37.684 31.714,37.657 31.839,37.531 IC1B.55@31.839,37.017 ; v1(50.865,36.085) 50.93,36.021 IC12.10@51.971,36.021